# Altium PCB PCB1.PcbDoc (part 4 of 5) (continued)
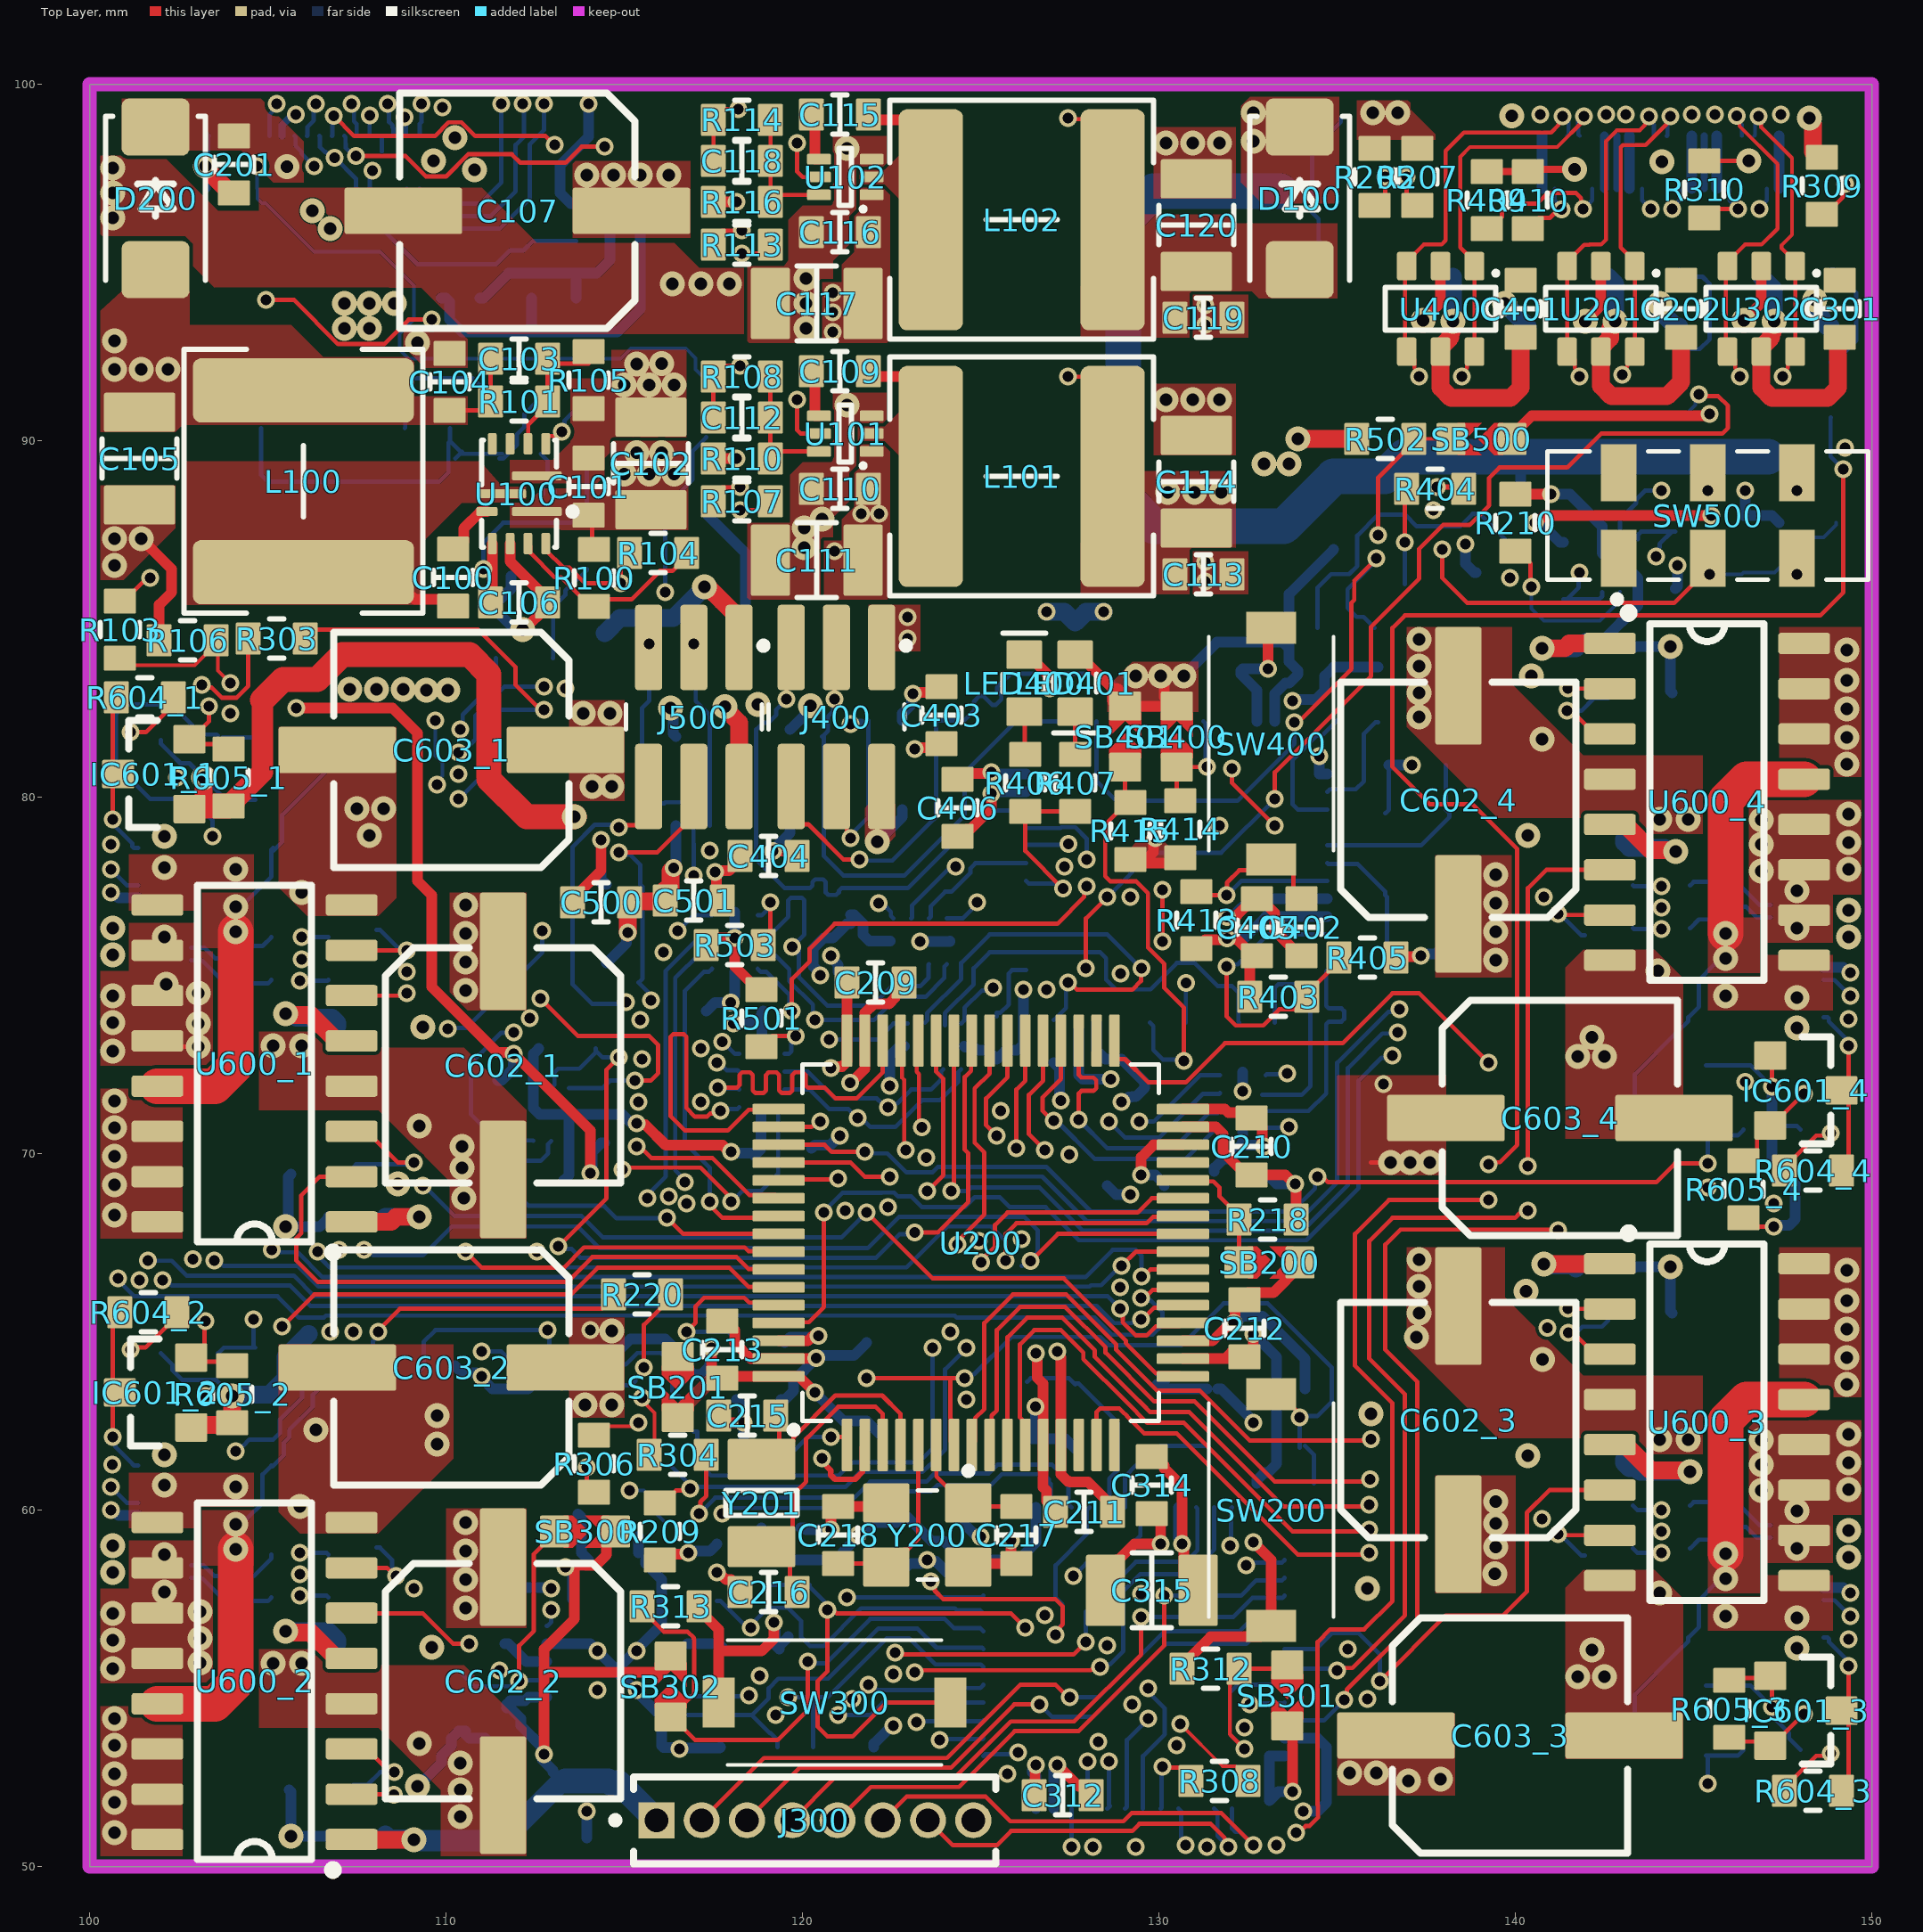
[diagram p0: Top Layer view]
## Nets (pads, with @x,y where several pads share a name; then routed paths per layer and width w, separated by ;. In a path a pad name is that pad's centre, name@x,y a point inside that pad or via, vN(x,y) a via of type N, cw(c..) or ccw(c..) an arc to the next point about the centre after c; other vN are vias at no path point) (continued)
  Bottom Layer w0.3: v1(121.35,82.05) U403.4@121.65,82.05
STlink_SWO: J400.4 U401.39 U403.1 U403.6 | length 16
  Top Layer w0.12: J400.4@119.68,80.3 119.796,80.184 119.796,79.442 119.997,79.241 120.159,79.241 121.15,78.25 v1(121.6,78.25)
  Bottom Layer w0.12: v1(121.6,78.25) 121.63,78.22 122.52,78.22 123.58,79.28 123.75,79.45 U403.6@123.75,82.15 124.526,82.15 124.788,82.412 124.83,82.454 124.83,82.559 124.809,82.581 124.809,82.685 124.966,82.842 125.07,82.842 125.318,82.595 125.423,82.595 125.58,82.752 125.58,82.856 125.458,82.978 125.458,83.082 125.582,83.206 125.841,83.465 128.485,83.465 128.75,83.2 U401.39@128.75,82.125
STlink_TCK: J400.2 U401.37 U402.3 U402.4 | length 16
  Top Layer w0.12: v1(120.9,82.75) 120.9,83.9 J400.2@121.2,84.2
  Bottom Layer w0.12: U402.3@120.55,81.7 120.712,81.862 120.712,82.27 120.86,82.418 120.86,82.71 v1(120.9,82.75) ; U402.3@120.6,81.7 U402.4@120.6,79.2 120.6,78.35 121.15,77.8 122.85,77.8 124.04,78.99 124.05,78.99 124.21,79.15 124.21,79.16 124.55,79.5 124.55,80.7 125.975,82.125 U401.37@127.75,82.125
STlink_TMS: J400.3 U401.34 U402.1 U402.6 | length 16.1
  Top Layer w0.12: v1(119.552,82.757) 119.552,83.127 119.797,83.372 119.93,83.372 J400.3@119.93,84.2
  Bottom Layer w0.12: v1(119.552,82.757) 119.552,82.752 119.26,82.46 119.26,82.31 119.038,82.088 118.888,82.088 118.7,81.9 U402.6@118.7,79.2 118.7,78.25 119.5,77.45 119.952,77.45 120.204,77.45 120.278,77.524 120.278,77.624 120.352,77.698 120.574,77.698 120.648,77.624 120.648,77.332 120.722,77.258 120.944,77.258 121.018,77.332 121.018,77.376 121.092,77.45 121.152,77.45 122.95,77.45 125.126,79.626 126.251,79.626 U401.34@126.275,79.65
STlink_USB_renum: R401.1 U401.38 | length 17
  Top Layer w0.12: v1(133.8,82.1) 133.9,82.1 135.4,83.6 135.4,85.46 135.477,85.537 135.477,86.077 v1(136.1,86.7)
  Bottom Layer w0.12: U401.38@128.25,82.125 128.25,80.45 128.8,79.9 132.2,79.9 133.8,81.5 v1(133.8,82.1) ; R401.1@136.05,84.75 135.74,85.06 135.54,85.06 135.29,85.31 135.29,85.835 136.1,86.645 v1(136.1,86.7)
Sub_MCU_BOOT0: R313.2 SB302.1 U300.44 | length 15.9
  Top Layer w0.12: R313.2@115.5,57.3 115.5,57.2 116.11,56.59 116.779,56.59 116.95,56.419 116.95,56.387 116.96,56.377 116.96,54.853 116.69,54.583 116.69,54.539 116.494,54.344 SB302.1@116.451,54.344 ; SB302.1@116.3,54.193 SB302.1@116.451,54.344 ; SB302.1@116.452,54.1 SB302.1@116.452,54.343 ; SB302.1@116.502,54.083 116.502,54.035 116.986,53.55 119.3,53.55 120.15,54.4 v1(120.15,55.75)
  Bottom Layer w0.12: v1(120.15,55.75) 120.2,55.7 120.65,55.7 121.9,56.95 123.988,56.95 124.248,56.69 124.985,56.69 U300.44@125.075,56.6
Sub_MCU_BOOT1: R312.2 SB301.1 U300.20 | length 7.2
  Top Layer w0.12: v1(132.4,53.3) 131.99,53.71 131.99,55.29 R312.2@132.25,55.55 133.436,55.55 SB301.1@133.5,55.614
  Bottom Layer w0.12: v1(132.4,53.3) 131.99,53.71 131.99,54.89 132.2,55.1 U300.20@133.525,55.1
Sub_MCU_CLK: R308.1 U200.39 | length 26.9
  Top Layer w0.1: v1(130.6,54) 131.79,52.81 132.15,52.81 132.5,52.46 R308.1@132.5,52.35
  Top Layer w0.12: v1(125.45,70.5) 125.15,70.8 125.15,71.55 125.75,72.15 U200.39@125.75,73.17
  Int2 (Sign) w0.1: v1(125.45,70.5) 125.45,69.95 127.05,68.35 127.05,65.55 126.05,64.55 126.05,60.75 128.05,58.75 128.05,57.266 128.716,56.6 129.05,56.266 129.05,55.1 128.75,54.8 128.75,54 129.285,53.465 129.965,53.465 130.5,54 v1(130.6,54)
Sub_MCU_CLK_IN: C317.2 U300.5 Y300.3 | length 5.6
  Bottom Layer w0.12: C317.2@126.3,63.6 126.4,63.7 127.475,63.7 Y300.3@127.65,63.525 ; Y300.3@127.65,63.55 127.75,63.55 128.85,62.45 128.85,61.132 128.605,60.887 128.605,60.13 U300.5@128.55,60.075
Sub_MCU_CLK_OUT: C316.2 U300.6 Y300.1 | length 3.5
  Bottom Layer w0.12: U300.6@129.05,60.075 129.05,60.95 129.355,61.255 129.48,61.255 129.95,61.725 130.025,61.8 C316.2@131.35,61.8
Sub_MCU_debug_RX: U300.13 U506.3 | length 19.8
  Int2 (Sign) w0.1: v1(128.6,70.9) 128.6,67.25 128.4,67.05 128.4,65.45 131.315,62.535 131.315,58.785 131.862,58.238 132.203,58.238 132.415,58.45 v1(132.45,58.45)
  Bottom Layer w0.12: v1(128.6,70.9) 129.05,70.45 130,70.45 131.229,71.679 131.689,71.679 U506.3@131.71,71.7 ; v1(132.45,58.45) 132.542,58.45 132.622,58.53 133.455,58.53 U300.13@133.525,58.6
Sub_MCU_debug_TX: U300.12 U506.4 | length 19.7
  Int2 (Sign) w0.1: v1(129.45,70.9) 130.4,69.95 130.4,68.5 130.4,68.45 130.47,68.38 131.314,68.38 131.384,68.31 131.384,68.1 131.314,68.03 129.881,68.03 129.811,67.96 129.811,67.75 129.881,67.68 130.33,67.68 130.4,67.61 130.4,67.481 130.4,64.1 132,62.5 v1(132,59)
  Bottom Layer w0.12: v1(129.45,70.9) 129.852,70.9 131.152,72.2 U506.4@131.71,72.2 ; v1(132,59) 132.025,59.025 132.025,60.05 U300.12@132.05,60.075
Sub_MCU_RES: C309.2 R311.1 SW300.1 U300.7 U505.4 | length 47.9
  Top Layer w0.12: SW300.1@124.15,54.6 122.35,54.6 121.4,53.65 120.7,53.65 120.42,53.93 120.42,55.2 120.7,55.48 v1(120.7,57.2) 120.773,57.127 120.933,57.127 120.96,57.1 125.85,57.1 v1(126.25,56.7)
  Int2 (Sign) w0.1: v1(116.5,76.25) 116.55,76.2 116.55,73.85 116.15,73.45 116.15,69.9 115.25,69 115.25,68.096 116.146,67.2 118.8,67.2 120.85,65.15 120.85,63.4 121.45,62.8 121.45,60.3 122.6,59.15 122.6,58 121.7,57.1 120.959,57.1 120.935,57.123 120.777,57.123 v1(120.7,57.2) ; v1(126.25,56.7) 126.25,57.45 126.95,58.15 v1(127.6,58.15)
  Bottom Layer w0.12: v1(116.5,76.25) 116.94,76.69 U505.4@117.46,76.69 ; R311.1@119.05,57.9 120.2,57.9 120.2,57.85 120.627,57.423 120.627,57.273 v1(120.7,57.2) ; v1(127.6,58.15) 127.95,58.5 128.7,58.5 129.48,59.28 129.48,60.005 U300.7@129.55,60.075
Sub_MCU_RX: U200.38 U300.30 | length 26.6
  Top Layer w0.12: v1(126,70.15) 126,71.8 126.25,72.05 U200.38@126.25,73.17
  Int2 (Sign) w0.1: v1(126,70.15) 126.058,70.092 126.058,69.842 127.45,68.45 127.45,65.15 127.65,64.95 127.65,62.8 127.65,62.4 127.58,62.33 126.901,62.33 126.831,62.26 126.831,62.05 126.901,61.98 127.615,61.98 127.685,61.91 127.685,61.7 127.615,61.63 126.901,61.63 126.831,61.56 126.831,61.35 126.901,61.28 127.58,61.28 127.65,61.21 127.65,60.908 127.65,59.9 128.8,58.75 128.8,57.034 129.7,56.134 v1(129.7,55)
  Bottom Layer w0.12: U300.30@129.55,51.625 129.55,53.1 130.16,53.71 130.16,54.44 129.7,54.9 v1(129.7,55)
Sub_MCU_SWO: U300.39 U505.3 | length 31.2
  Int2 (Sign) w0.1: v1(115.65,68.75) 115.65,68.05 116.15,67.55 118.9,67.55 121.25,65.2 121.25,63.575 121.992,62.833 121.992,60.674 124.75,57.916 124.75,55.25 123.55,54.05 v1(123.2,54.05)
  Bottom Layer w0.12: v1(115.65,68.75) 115.65,68.85 116.16,69.36 116.16,75.13 117.155,76.125 117.395,76.125 U505.3@117.46,76.19 ; v1(123.2,54.05) 123.225,54.075 125.05,54.075 U300.39@125.075,54.1
Sub_MCU_TCK: U300.37 U503.3 | length 31.3
  Int2 (Sign) w0.1: v1(117.6,72.55) 117.55,72.55 116.75,71.75 116.75,71.15 117.25,70.65 118.25,70.65 118.4,70.5 118.4,69.75 122.9,65.25 122.9,62.4 122.9,62.239 122.97,62.169 125.48,62.169 125.55,62.099 125.55,61.889 125.48,61.819 122.97,61.819 122.9,61.749 122.9,61.349 122.9,61.2 124.6,59.5 124.6,59.084 124.834,58.85 125.25,58.85 125.55,58.55 125.55,53.7 v1(126.05,53.2)
  Bottom Layer w0.12: v1(117.6,72.55) 117.657,72.55 117.863,72.344 118.176,72.344 U503.3@118.22,72.3 ; U300.37@125.075,53.1 125.125,53.15 126,53.15 v1(126.05,53.2)
Sub_MCU_TMS: U300.34 U503.4 | length 31.3
  Int2 (Sign) w0.1: v1(117.745,73.142) 117.403,73.485 116.928,73.485 116.4,72.957 116.4,70.7 117.65,69.45 118.15,69.45 122.45,65.15 122.45,60.9 124.1,59.25 124.1,59.1 124.8,58.4 124.95,58.4 125.15,58.2 125.15,52.6 125.85,51.9 125.85,51.45 126.75,50.55 v1(127.55,50.55)
  Bottom Layer w0.12: v1(117.745,73.142) 117.763,73.142 118.105,72.8 U503.4@118.22,72.8 ; v1(127.55,50.55) U300.34@127.55,51.625
Sub_MCU_TX: U200.37 U300.31 | length 26.7
  Top Layer w0.12: U200.37@126.75,73.17 126.75,72.05 126.35,71.65 126.35,70.55 v1(126.8,70.1)
  Int2 (Sign) w0.1: v1(126.8,70.1) 127.95,68.95 127.95,65.3 128.319,64.931 128.319,62.45 128.319,62.4 128.389,62.33 129.613,62.33 129.683,62.26 129.683,62.05 129.613,61.98 128.389,61.98 128.319,61.91 128.319,61.3 128.319,60.131 130.55,57.9 130.55,54.892 129.808,54.15 v1(129.7,54.15)
  Bottom Layer w0.12: U300.31@129.05,51.625 129.1,51.675 129.1,53.55 v1(129.7,54.15)
Sub_MCU_USB_N: J201.17 U300.32 U302.3 U302.4 | length 65.2
  Top Layer w0.11: v1(146.209,99.11) 146.283,99.035 146.283,98.831 147.35,97.764 147.35,95.95 146.905,95.505 146.437,95.505 145.95,95.018 U302.3@145.95,94.9 145.9,94.85 145.9,92.55 146.162,92.288 146.162,92.044 146.3,91.906 v1(146.3,91.8)
  Int2 (Sign) w0.1: v1(128.6,52.95) 128.523,52.873 128.523,52.715 128.5,52.691 128.5,52.595 128.795,52.3 131.084,52.3 131.3,52.516 131.3,56.066 133.05,57.816 133.05,66.466 135.5,68.916 135.5,76.321 136.2,77.021 136.2,82.859 136.467,83.127 136.467,84.759 136.958,85.25 145.25,85.25 146.85,86.85 146.85,89.915 146.7,90.065 146.7,91.741 146.641,91.8 v1(146.3,91.8)
  Bottom Layer w0.11: v1(146.209,99.11) 146.209,99.007 146.35,98.865 J201.17@146.35,98.553
  Bottom Layer w0.12: U300.32@128.55,51.625 128.625,51.7 128.6,51.725 v1(128.6,52.95)
Sub_MCU_USB_P: J201.18 U300.33 U302.1 U302.6 | length 65.8
  Top Layer w0.11: v1(146.825,99.1) 146.893,99.032 146.893,98.801 147.76,97.934 147.76,95.78 147.469,95.489 147.469,95.398 147.623,95.245 147.85,95.018 U302.6@147.85,92.5 147.638,92.288 147.638,92.044 147.5,91.906 v1(147.5,91.8)
  Int2 (Sign) w0.1: v1(128,52.95) 128.077,52.873 128.077,52.715 128.1,52.691 128.1,52.429 128.629,51.9 131.25,51.9 131.7,52.35 131.7,55.9 133.45,57.65 133.45,66.3 135.9,68.75 135.9,76.156 136.6,76.856 136.6,82.694 136.867,82.961 136.867,84.593 137.124,84.85 145.416,84.85 147.25,86.684 147.25,90.08 147.1,90.23 147.1,91.741 147.159,91.8 v1(147.5,91.8)
  Bottom Layer w0.11: J201.18@146.7,98.553 146.721,98.574 146.721,98.89 146.825,98.994 v1(146.825,99.1)
  Bottom Layer w0.12: v1(128,52.95) 128,51.725 127.975,51.7 U300.33@128.05,51.625
Sub_MCU_USB_VBUS: R301.2 U300.28 | length 64.5
  Top Layer w0.12: v1(133.85,50.95) 133.92,50.95 134.11,51.14 134.22,51.14 134.46,51.38 134.46,51.72 134.45,51.73 134.45,56.3 134.806,56.656 135.756,56.656 136.55,57.45 136.55,63 135.5,64.05 135.5,67.75 136.45,68.7 v1(139.25,68.7) ; v1(139.25,69.7) 139.311,69.761 139.561,69.761 140.05,70.25 140.05,78.55 138.8,79.8 137.6,79.8 136.55,80.85 136.55,84.75 136.9,85.1 148.55,85.1 149.2,85.75 v1(149.2,89.2)
  Int2 (Sign) w0.1: v1(130.749,50.599) 130.774,50.624 130.774,50.731 131.128,51.085 133.607,51.085 133.742,50.95 v1(133.85,50.95) ; v1(139.25,68.7) v1(139.25,69.7)
  Bottom Layer w0.12: U300.28@130.55,51.625 130.62,51.555 130.62,50.822 130.684,50.758 130.684,50.664 v1(130.749,50.599) ; R301.2@148.85,90.65 148.84,90.64 148.84,89.56 v1(149.2,89.2)
Working_LED_1: R607_1.2 U200.21 | length 40.9
  Top Layer w0.12: v1(129.5,65.35) 129.533,65.35 129.863,65.68 130.6,65.68 U200.21@130.67,65.75
  Int2 (Sign) w0.1: v1(102.05,66.45) 102.05,66.509 102.25,66.709 102.25,66.956 103.475,68.181 103.475,73.67 104.655,74.85 v1(105.9,74.85)
  Bottom Layer w0.12: v1(102.05,66.45) 102.153,66.45 102.303,66.3 105.625,66.3 106.195,65.73 128.254,65.73 128.738,65.246 129.24,65.246 129.271,65.277 129.427,65.277 v1(129.5,65.35) ; v1(105.9,74.85) 106.675,74.85 R607_1.2@106.7,74.875
Working_LED_2: R607_2.2 U200.26 | length 42.5
  Top Layer w0.12: v1(125.7,67) 125.7,67.75 126,68.05 129.65,68.05 129.825,68.225 130.645,68.225 U200.26@130.67,68.25
  Int2 (Sign) w0.1: v1(105.9,57.6) 105.95,57.6 106.3,57.95 106.3,59.05 105.1,60.25 105.1,60.7 104.65,61.15 103.62,61.15 102.15,62.62 102.15,64.9 103.15,65.9 105.05,65.9 v1(106.4,67.25)
  Bottom Layer w0.12: v1(105.9,57.6) 106.65,57.6 R607_2.2@106.7,57.55 ; v1(106.4,67.25) 106.4,67.147 106.608,66.939 106.608,66.935 106.733,66.81 122.91,66.81 124.06,67.96 125.29,67.96 125.7,67.55 v1(125.7,67)
Working_LED_3: R607_3.2 U200.11 | length 26.1
  Top Layer w0.12: U200.11@126.25,61.83 126.18,61.9 126.18,62.52 126.1,62.6 126.1,64.65 126.5,65.05 127.254,65.05 127.88,64.424 127.88,64.238 129.073,63.045 129.077,63.045 129.38,62.742 129.38,62.738 129.668,62.45 130.7,62.45 133.75,59.4 135.85,59.4 v1(135.9,59.45)
  Int2 (Sign) w0.1: v1(135.9,59.45) 135.925,59.425 136.525,59.425 138.3,57.65 140.82,57.65 143.195,60.025 144.075,60.025 v1(144.1,60)
  Bottom Layer w0.12: R607_3.2@143.3,60.125 143.425,60 v1(144.1,60)
Working_LED_4: R607_4.2 U200.43 | length 32.4
  Top Layer w0.12: v1(123.5,68.95) 123.95,69.4 123.95,72.1 123.75,72.3 U200.43@123.75,73.17
  Int2 (Sign) w0.1: v1(136.75,74.05) 136.776,74.05 137.046,74.32 139.552,74.32 142.732,77.5 v1(144.1,77.5)
  Bottom Layer w0.12: v1(123.5,68.95) 123.91,69.36 126.722,69.36 127.972,68.11 133.91,68.11 135,69.2 135,72.55 136.427,73.977 136.677,73.977 v1(136.75,74.05) ; R607_4.2@143.3,77.525 143.325,77.5 v1(144.1,77.5)
pads on no net: J200.33 SW500.1 SW500.5 SW500.6 SW500.7 U100.5 U100.6 U103.5 U200.14 U200.16 U200.29 U200.34 U300.27 U301.2 U301.3 U301.4 U301.5 U301.6 U301.7 U301.14 U301.15 U301.16 U301.17 U301.19 U301.21 U301.22 U401.4 U401.11 U401.14 U401.16 U401.17 U401.19 U401.21 U401.22 U401.28 U401.29 U401.40 U401.41 U401.42 U401.43 U401.45 U401.46 U502.3 U502.4 U504.3 U504.4
copper on no net:
  other v3: 145.4,88.6 147.9,88.6

## Polygon pours and split planes (outlines as drawn)
GND on Bottom Layer "GND_L06_P311" (solid, pour order 311): 115.95,96.9 115.95,97.85 116.85,97.85 116.85,97.7 116.85,96.9
NetD601_1_1 on Bottom Layer "NETD601_1_1_L06_P212" (solid, pour order 212): 111.35,81.9 111.55,82.1 113.35,82.1 113.35,80.075 112.85,79.575 112.85,77.575 111.75,77.575 111.75,79.725 111.35,80.125
GND on Bottom Layer "GND_L06_P309" (solid, pour order 309): 113.1,51.15 114.55,51.15 114.55,50.45 113.1,50.45
GND on Bottom Layer "GND_L06_P252" (solid, pour order 252): 109.336,98.8 109.65,98.98 109.65,99.6 111.2,99.6 111.2,97.25 110.8,96.85 108.05,96.85 108.05,98.8
3.3V on Bottom Layer "3.3V_L06_P306" (solid, pour order 306): 105.642,64.792 106.2,65.35 107.6,65.35 107.75,65.2 107.75,64.75 107.6,64.6 105.91,64.6
GND on Bottom Layer "GND_L06_P304" (solid, pour order 304): 108.55,73.05 109.35,73.05 109.7,73.4 109.7,73.7 109.3,74.1 108.55,74.1
12V on Bottom Layer "12V_L06_P301" (solid, pour order 301): 107.894,59.5 107.901,60.65 110.15,60.65 110.15,62.45 110.15,63.05 106.65,63.05 105.65,62.05 105.65,59.5
3.3V on Bottom Layer "3.3V_L06_P297" (solid, pour order 297): 129,83.05 129,83.6 129.75,84.35 130.45,84.35 131.1,83.7 131.1,83.05
NetD401_1 on Bottom Layer "NETD401_1_L06_P291" (solid, pour order 291): 122.6,85.4 123.8,85.4 123.8,84.1 122.6,84.1
3.3V on Bottom Layer "3.3V_L06_P287" (solid, pour order 287): 117.6,85.4 118.35,85.4 120.15,85.4 120.15,83.9 119.1,82.85 119.1,82.601 118.851,82.601 118.4,82.601 118.4,82.75 117.6,83.55
5V_USB on Bottom Layer "5V_USB_L06_P279" (solid, pour order 279): 145.8,90.6 147.7,90.6 147.7,89.15 146.45,89.15
GND on Bottom Layer "GND_L06_P278" (solid, pour order 278): 148.6,97 148.6,100 147.2,100 147.2,98.75 147.6,98.75 147.6,97.1 147.7,97
GND on Bottom Layer "GND_L06_P277" (solid, pour order 277): 139.5,96.95 139.5,100 140.95,100 140.95,98.9 140.65,98.9 140.5,98.75 140.5,96.95
GND on Bottom Layer "GND_L06_P276" (solid, pour order 276): 145.2,98.35 145.2,98.7 145.05,98.85 144.7,98.85 144.7,100 145.85,100 145.85,98.85 145.55,98.85 145.4,98.7 145.4,98.35
GND on Bottom Layer "GND_L06_P275" (solid, pour order 275): 142.3,100 143.35,100 143.35,98.85 143,98.85 142.95,98.8 142.95,98.653 142.95,98.25 142.75,98.25 142.75,98.653 142.75,98.75 142.65,98.85 142.3,98.85
GND on Bottom Layer "GND_L06_P274" (solid, pour order 274): 141,98.75 142.25,98.75 142.25,96.85 141,96.85
GND on Bottom Layer "GND_L06_P273" (solid, pour order 273): 143.45,98.75 144.7,98.75 144.7,96.85 143.45,96.85
GND on Bottom Layer "GND_L06_P272" (solid, pour order 272): 145.9,98.75 147.15,98.75 147.15,97.173 146.827,96.85 146.2,96.85 146.2,96.873 145.9,97.173 145.9,97.3
NetC300_1 on Bottom Layer "NETC300_1_L06_P266" (solid, pour order 266): 148.75,95.2 147.6,95.2 147.6,94.4 148.85,94.4
NetC400_2 on Bottom Layer "NETC400_2_L06_P268" (solid, pour order 268): 140.6,97.3 142.65,97.3 142.65,96.8 142.65,95.95 142.15,95.45 141.488,95.438 141.15,95.1 141.15,94.55 137.4,94.55 137.4,95.3 137.5,95.4 138.6,96.5 140,96.5 140.6,97.1
NetC200_1 on Bottom Layer "NETC200_1_L06_P267" (solid, pour order 267): 143.05,97.25 145.1,97.25 145.1,95.9 145.3,95.7 145.3,94.55 141.7,94.55 141.7,95.35 142.1,95.35 143.05,96.3
NetC300_1 on Bottom Layer "NETC300_1_L06_P265" (solid, pour order 265): 145.5,97.1 145.5,95.6 145.95,95.15 147.9,95.15 147.9,96.75 147.55,97.1
5V_USB on Bottom Layer "5V_USB_L06_P259" (solid, pour order 259): 132.2,99.6 132.2,98.2 132.6,97.8 132.6,95.8 133.1,95.3 133.8,95.3 133.8,96.05 134,96.25 134,99.6
GND on Bottom Layer "GND_L06_P260" (solid, pour order 260): 135.578,99.6 137.1,99.6 137.1,98.55 135.8,97.25 135.8,94.5 135.35,94.05 133.2,94.05 133.2,95.2 134.7,95.2 134.8,95.3 134.8,96.15 134.6,96.35 134.6,98.475
3.3V on Bottom Layer "3.3V_L06_P261" (solid, pour order 261): 134.25,93.95 134.25,91.9 134.25,88.95 132.75,88.95 132.4,89.3 132.4,93 133.35,93.95
GND on Bottom Layer "GND_L06_P262" (solid, pour order 262): 134.6,89.65 136.1,89.65 136.1,92 135.8,92.3 135.8,94.7 135.5,94.4 134.25,94.4 134.25,93.25 134.6,92.9 134.6,91.95
12V_in on Bottom Layer "12V_IN_L06_P257" (solid, pour order 257): 115.875,95.55 122.4,95.55 122.4,91.6 118.775,91.6 118.775,92.175 117.7,93.25 115.875,93.25
NetC201_2 on Bottom Layer "NETC201_2_L06_P249" (solid, pour order 249): 105.15,96.85 105.15,98.1 105.95,98.1 105.95,96.9 105.9,96.85
5V on Bottom Layer "5V_L06_P248" (solid, pour order 248): 105.8,97.309 107.375,97.309 107.375,95.55 106.55,95.55 105.8,96.3
12V on Bottom Layer "12V_L06_P112" (solid, pour order 112): 103.5,98.8 104.85,98.8 104.85,98.25 104.5,97.9 104.5,96.85 107.05,94.3 108.75,94.3 109,94.05 109,93.65 108.3,92.95 108.3,92.7 106.35,92.7 103.5,95.55
12V_in on Bottom Layer "12V_IN_L06_P247" (solid, pour order 247): 103.1,98.8 100.3,98.8 100.3,89.25 109.4,89.25 109.45,89.3 109.45,90.15 109.45,92.15 107.35,92.15 104.75,94.75 103.1,96.4
12V on Bottom Layer "12V_L06_P246" (solid, pour order 246): 100.6,85.75 110.85,85.75 110.85,83.25 110.1,82.5 106.7,82.5 105.7,83.5 100.6,83.5
NetD601_4_1 on Bottom Layer "NETD601_4_1_L06_P230" (solid, pour order 230): 138.65,70.275 136.65,70.275 136.65,72.325 137.15,72.825 137.15,74.825 138.25,74.825 138.25,72.675 138.65,72.275
5V on Bottom Layer "5V_L06_P146" (solid, pour order 146): 149.8,75.475 148.4,75.475 148.4,76.825 148.9,76.825 148.9,77.225 149.8,77.225
NetD600_4_1 on Bottom Layer "NETD600_4_1_L06_P170" (solid, pour order 170): 148.75,79.875 145,79.875 145,84.775 148.75,84.775
Motor+_4 on Bottom Layer "MOTOR+_4_L06_P150" (solid, pour order 150): 148.25,73.975 145.4,73.975 145.4,74.775 148.25,74.775
Magnet+_4 on Bottom Layer "MAGNET+_4_L06_P154" (solid, pour order 154): 147.4,75.075 145.4,75.075 145.4,76.625 147.4,76.625
12V on Bottom Layer "12V_L06_P214" (solid, pour order 214): 142.65,70.275 140.65,70.275 140.65,72.275 141.35,72.975 141.35,73.875 142.35,73.875 142.553,73.672 142.542,73.282 142.9,72.975 142.9,72.475 142.65,72.225
12V on Bottom Layer "12V_L06_P210" (solid, pour order 210): 143.65,73.325 142.8,73.325 142.8,75.575 144.4,75.575 144.4,74.575 144.2,74.575 143.65,74.025
GND on Bottom Layer "GND_L06_P121" (solid, pour order 121): 142,74.575 142,75.575 141.4,75.575 140.5,76.475 140.5,78.05 140.15,78.4 138.9,78.4 138.9,75.275 139.75,74.425 139.75,72.825 140.85,72.825
GND on Bottom Layer "GND_L06_P182" (solid, pour order 182): 149.15,74.375 149.7,74.375 149.7,73.625 148.4,73.625 148.4,74.675 148.9,74.675
GND on Bottom Layer "GND_L06_P178" (solid, pour order 178): 148.7,73.975 148.7,72.625 147.15,72.625 147.15,73.423 146.9,73.673 146.9,73.975
GND on Bottom Layer "GND_L06_P186" (solid, pour order 186): 146.9,74.8 146.9,78.2 148.85,78.2 148.85,74.8
GND on Bottom Layer "GND_L06_P174" (solid, pour order 174): 149.7,80.575 149.7,84.775 147.55,84.775 147.55,80.575
GND on Bottom Layer "GND_L06_P206" (solid, pour order 206): 142.45,77.325 141.45,77.325 141.45,78.275 142.45,78.275
GND on Bottom Layer "GND_L06_P190" (solid, pour order 190): 142.45,80.375 142.45,78.275 140.7,78.275 139.95,78.675 139.95,79.425 141.4,79.425 141.4,80.375
5V_mot on Bottom Layer "5V_MOT_L06_P134" (solid, pour order 134): 145.25,78.975 143.45,78.975 142.75,79.675 142.75,81.875 145.25,81.875
5V_mot on Bottom Layer "5V_MOT_L06_P202" (solid, pour order 202): 142.45,82.025 142.45,81.175 140.4,81.175 140.4,82.025
NetD601_3_1 on Bottom Layer "NETD601_3_1_L06_P213" (solid, pour order 213): 138.65,52.875 136.65,52.875 136.65,54.925 137.15,55.425 137.15,57.425 138.25,57.425 138.25,55.275 138.65,54.875
5V on Bottom Layer "5V_L06_P133" (solid, pour order 133): 149.8,58.075 148.4,58.075 148.4,59.425 148.9,59.425 148.9,59.825 149.8,59.825
NetD600_3_1 on Bottom Layer "NETD600_3_1_L06_P153" (solid, pour order 153): 148.75,62.475 145,62.475 145,67.375 148.75,67.375
Motor+_3 on Bottom Layer "MOTOR+_3_L06_P145" (solid, pour order 145): 148.25,56.575 145.4,56.575 145.4,57.375 148.25,57.375
Magnet+_3 on Bottom Layer "MAGNET+_3_L06_P149" (solid, pour order 149): 147.4,57.675 145.4,57.675 145.4,59.225 147.4,59.225
12V on Bottom Layer "12V_L06_P209" (solid, pour order 209): 142.65,52.875 140.65,52.875 140.65,54.875 141.35,55.575 141.35,56.475 142.35,56.475 142.553,56.272 142.542,55.882 142.9,55.575 142.9,55.075 142.65,54.825
12V on Bottom Layer "12V_L06_P205" (solid, pour order 205): 143.65,55.925 142.8,55.925 142.8,58.175 144.4,58.175 144.4,57.175 144.2,57.175 143.65,56.625
GND on Bottom Layer "GND_L06_P111" (solid, pour order 111): 142,57.175 142,58.175 141.4,58.175 140.5,59.075 140.5,60.6 140.09,61.01 138.7,61.01 138.7,57.65 139.75,56.6 139.75,55.425 140.85,55.425
GND on Bottom Layer "GND_L06_P177" (solid, pour order 177): 149.15,56.975 149.7,56.975 149.7,56.225 148.4,56.225 148.4,57.275 148.9,57.275
GND on Bottom Layer "GND_L06_P173" (solid, pour order 173): 148.7,56.575 148.7,55.225 147.15,55.225 147.15,56.023 146.9,56.273 146.9,56.575
GND on Bottom Layer "GND_L06_P181" (solid, pour order 181): 146.9,57.4 146.9,60.8 148.85,60.8 148.85,57.4
GND on Bottom Layer "GND_L06_P169" (solid, pour order 169): 149.7,63.175 149.7,67.375 147.55,67.375 147.55,63.175
GND on Bottom Layer "GND_L06_P201" (solid, pour order 201): 142.45,59.925 141.45,59.925 141.45,60.875 142.45,60.875
GND on Bottom Layer "GND_L06_P185" (solid, pour order 185): 142.45,62.975 142.45,60.875 140.7,60.875 139.95,61.275 139.95,62.025 141.4,62.025 141.4,62.975
5V_mot on Bottom Layer "5V_MOT_L06_P120" (solid, pour order 120): 145.25,61.575 143.45,61.575 142.75,62.275 142.75,64.475 145.25,64.475
5V_mot on Bottom Layer "5V_MOT_L06_P189" (solid, pour order 189): 142.45,64.625 142.45,63.775 140.4,63.775 140.4,64.625
5V on Bottom Layer "5V_L06_P132" (solid, pour order 132): 100.2,76.925 101.6,76.925 101.6,75.575 101.1,75.575 101.1,75.175 100.2,75.175
NetD600_1_1 on Bottom Layer "NETD600_1_1_L06_P152" (solid, pour order 152): 101.25,72.525 105,72.525 105,67.625 101.25,67.625
Motor+_1 on Bottom Layer "MOTOR+_1_L06_P144" (solid, pour order 144): 101.75,78.425 104.6,78.425 104.6,77.625 101.75,77.625
Magnet+_1 on Bottom Layer "MAGNET+_1_L06_P148" (solid, pour order 148): 102.6,77.325 104.6,77.325 104.6,75.775 102.6,75.775
12V on Bottom Layer "12V_L06_P208" (solid, pour order 208): 107.35,82.125 109.35,82.125 109.35,80.125 108.65,79.425 108.65,78.525 107.65,78.525 107.447,78.728 107.458,79.118 107.1,79.425 107.1,79.925 107.35,80.175
12V on Bottom Layer "12V_L06_P204" (solid, pour order 204): 106.35,79.075 107.2,79.075 107.2,76.825 105.6,76.825 105.6,77.825 105.8,77.825 106.35,78.375
GND on Bottom Layer "GND_L06_P110" (solid, pour order 110): 108,77.825 108,76.825 108.6,76.825 109.4,76.025 109.4,74.35 109.725,74.025 111.15,74.025 111.15,77.075 110.25,77.975 110.25,79.575 109.15,79.575
GND on Bottom Layer "GND_L06_P176" (solid, pour order 176): 100.85,78.025 100.3,78.025 100.3,78.775 101.6,78.775 101.6,77.725 101.1,77.725
GND on Bottom Layer "GND_L06_P172" (solid, pour order 172): 101.3,78.425 101.3,79.775 102.85,79.775 102.85,78.977 103.1,78.727 103.1,78.425
GND on Bottom Layer "GND_L06_P180" (solid, pour order 180): 103.1,77.6 103.1,74.2 101.15,74.2 101.15,77.6
GND on Bottom Layer "GND_L06_P168" (solid, pour order 168): 100.3,71.825 100.3,67.625 102.45,67.625 102.45,71.825
GND on Bottom Layer "GND_L06_P200" (solid, pour order 200): 107.55,75.075 108.55,75.075 108.55,74.125 107.55,74.125
GND on Bottom Layer "GND_L06_P184" (solid, pour order 184): 107.55,72.025 107.55,74.3 108.55,74.3 108.55,72.025
5V_mot on Bottom Layer "5V_MOT_L06_P119" (solid, pour order 119): 104.75,73.425 106.55,73.425 107.25,72.725 107.25,70.525 104.75,70.525
5V_mot on Bottom Layer "5V_MOT_L06_P188" (solid, pour order 188): 107.55,70.375 107.55,71.225 109.6,71.225 109.6,70.375
GND on Bottom Layer "GND_L06_P109" (solid, pour order 109): 108,60.5 108,59.5 108.6,59.5 109,59.1 109,56.7 110.9,56.7 110.9,60 110.4,60.5
NetD601_2_1 on Bottom Layer "NETD601_2_1_L06_P211" (solid, pour order 211): 111.25,63.1 113.25,63.1 113.25,60.575 112.7,60.025 111.6,60.025 111.25,60.375
12V on Bottom Layer "12V_L06_P203" (solid, pour order 203): 106.35,61.75 107.2,61.75 107.2,59.5 105.658,59.5 105.3,59.831 105.3,60.5 105.8,60.5 106.35,61.05
GND on Bottom Layer "GND_L06_P199" (solid, pour order 199): 107.55,57.75 108.55,57.75 108.55,56.8 107.55,56.8
5V_mot on Bottom Layer "5V_MOT_L06_P187" (solid, pour order 187): 107.55,53.05 107.55,53.9 109.6,53.9 109.6,53.05
GND on Bottom Layer "GND_L06_P183" (solid, pour order 183): 107.55,54.7 107.55,56.8 110.05,56.8 110.05,55.65 108.6,55.65 108.6,54.7
GND on Bottom Layer "GND_L06_P179" (solid, pour order 179): 103.1,60.275 103.1,56.875 101.15,56.875 101.15,60.275
GND on Bottom Layer "GND_L06_P175" (solid, pour order 175): 100.85,60.7 100.3,60.7 100.3,61.45 101.6,61.45 101.6,60.4 101.1,60.4
GND on Bottom Layer "GND_L06_P171" (solid, pour order 171): 101.3,61.1 101.3,62.45 102.85,62.45 102.85,61.652 103.1,61.402 103.1,61.1
5V_mot on Bottom Layer "5V_MOT_L06_P118" (solid, pour order 118): 104.75,56.1 106.55,56.1 107.25,55.4 107.25,53.2 104.75,53.2
GND on Bottom Layer "GND_L06_P167" (solid, pour order 167): 100.3,54.5 100.3,50.3 102.45,50.3 102.45,54.5
NetD600_2_1 on Bottom Layer "NETD600_2_1_L06_P151" (solid, pour order 151): 101.25,55.2 105,55.2 105,50.3 101.25,50.3
Magnet+_2 on Bottom Layer "MAGNET+_2_L06_P147" (solid, pour order 147): 102.6,60 104.6,60 104.6,58.45 102.6,58.45
Motor+_2 on Bottom Layer "MOTOR+_2_L06_P143" (solid, pour order 143): 101.75,61.1 104.6,61.1 104.6,60.3 101.75,60.3
5V on Bottom Layer "5V_L06_P131" (solid, pour order 131): 100.2,59.6 101.6,59.6 101.6,58.25 101.1,58.25 101.1,57.85 100.2,57.85
12V on Int3 (Sign) "12V_L04_P310" (solid, remove dead copper, pour order 310): 118,88.05 118,88.25 118.5,88.25 118.5,88.05
5V_mot on Int3 (Sign) "5V_MOT_L04_P113" (solid, pour order 113): 110.15,67.6 110.1,67.65 110.1,70.7 111.55,70.7 111.6,70.75 111.65,70.7 111.65,67.6
5V_mot on Int3 (Sign) "5V_MOT_L04_P114" (solid, pour order 114): 110,50.3 110,53.4 111.5,53.4 111.5,50.3
3.3V on Int3 (Sign) "3.3V_L04_P300" (solid, pour order 300): 113.55,50.3 117.95,54.7 118.9,54.7 118.9,50.3
3.3V on Int3 (Sign) "3.3V_L04_P299" (solid, pour order 299): 131.921,63.15 138.6,63.15 138.6,50.014 138.614,50 131.981,50
3.3V on Int3 (Sign) "3.3V_L04_P115" (solid, pour order 115): 117.05,69.95 117.05,70.5 117.5,70.95 118.4,70.95 118.5,70.85 118.5,69.65 118.5,69.15 117.85,69.15
3.3V on Int3 (Sign) "3.3V_L04_P298" (solid, pour order 298): 118.1,73.85 117.75,73.85 117.75,74.5 118.3,74.5
5V_mot on Int3 (Sign) "5V_MOT_L04_P296" (solid, pour order 296): 111.4,87.6 138.6,87.6 138.6,84.6 111.4,84.6
12V on Int3 (Sign) "12V_L04_P159" (solid, pour order 159): 106.8,91.8 106.688,92.896 106.7,94.35 109.05,94.35 109.05,91.8
5V_mot on Int3 (Sign) "5V_MOT_L04_P160" (solid, pour order 160): 129.8,89 129.8,87.5 132.2,87.5 132.2,89
3.3V on Int3 (Sign) "3.3V_L04_P225" (solid, pour order 225): 118.147,84 132.147,84 132.147,50.194 118.147,50.194
12V on Int3 (Sign) "12V_L04_P295" (solid, pour order 295): 106.8,93.2 143.2,93.2 143.2,88.2 106.8,88.2
5V on Int3 (Sign) "5V_L04_P231" (solid, pour order 231): 143.79,95.8 149.99,95.8 149.99,50.204 143.79,50.204
5V on Int3 (Sign) "5V_L04_P294" (solid, pour order 294): 100,100 150,100 150,93.8 100,93.8
12V on Int3 (Sign) "12V_L04_P161" (solid, pour order 161): 114.55,88.6 114.55,90.2 116.85,90.2 116.85,88.6
5V_mot on Int3 (Sign) "5V_MOT_L04_P224" (solid, pour order 224): 111.397,87.597 117.397,87.597 117.397,54.647 113.043,50.293 111.397,50.293
5V_mot on Int3 (Sign) "5V_MOT_L04_P282" (solid, pour order 282): 132.6,87.6 138.6,87.6 138.6,63.7 132.6,63.7
12V on Int3 (Sign) "12V_L04_P281" (solid, pour order 281): 139.2,90.2 143.2,90.2 143.2,50.233 139.2,50.233
12V on Int3 (Sign) "12V_L04_P223" (solid, pour order 223): 106.8,90.25 110.8,90.25 110.8,50 106.8,50